# Altium PCB CRD25DA12N-FMC V1.1 (07-2023).PcbDoc (part 4 of 7) (continued)
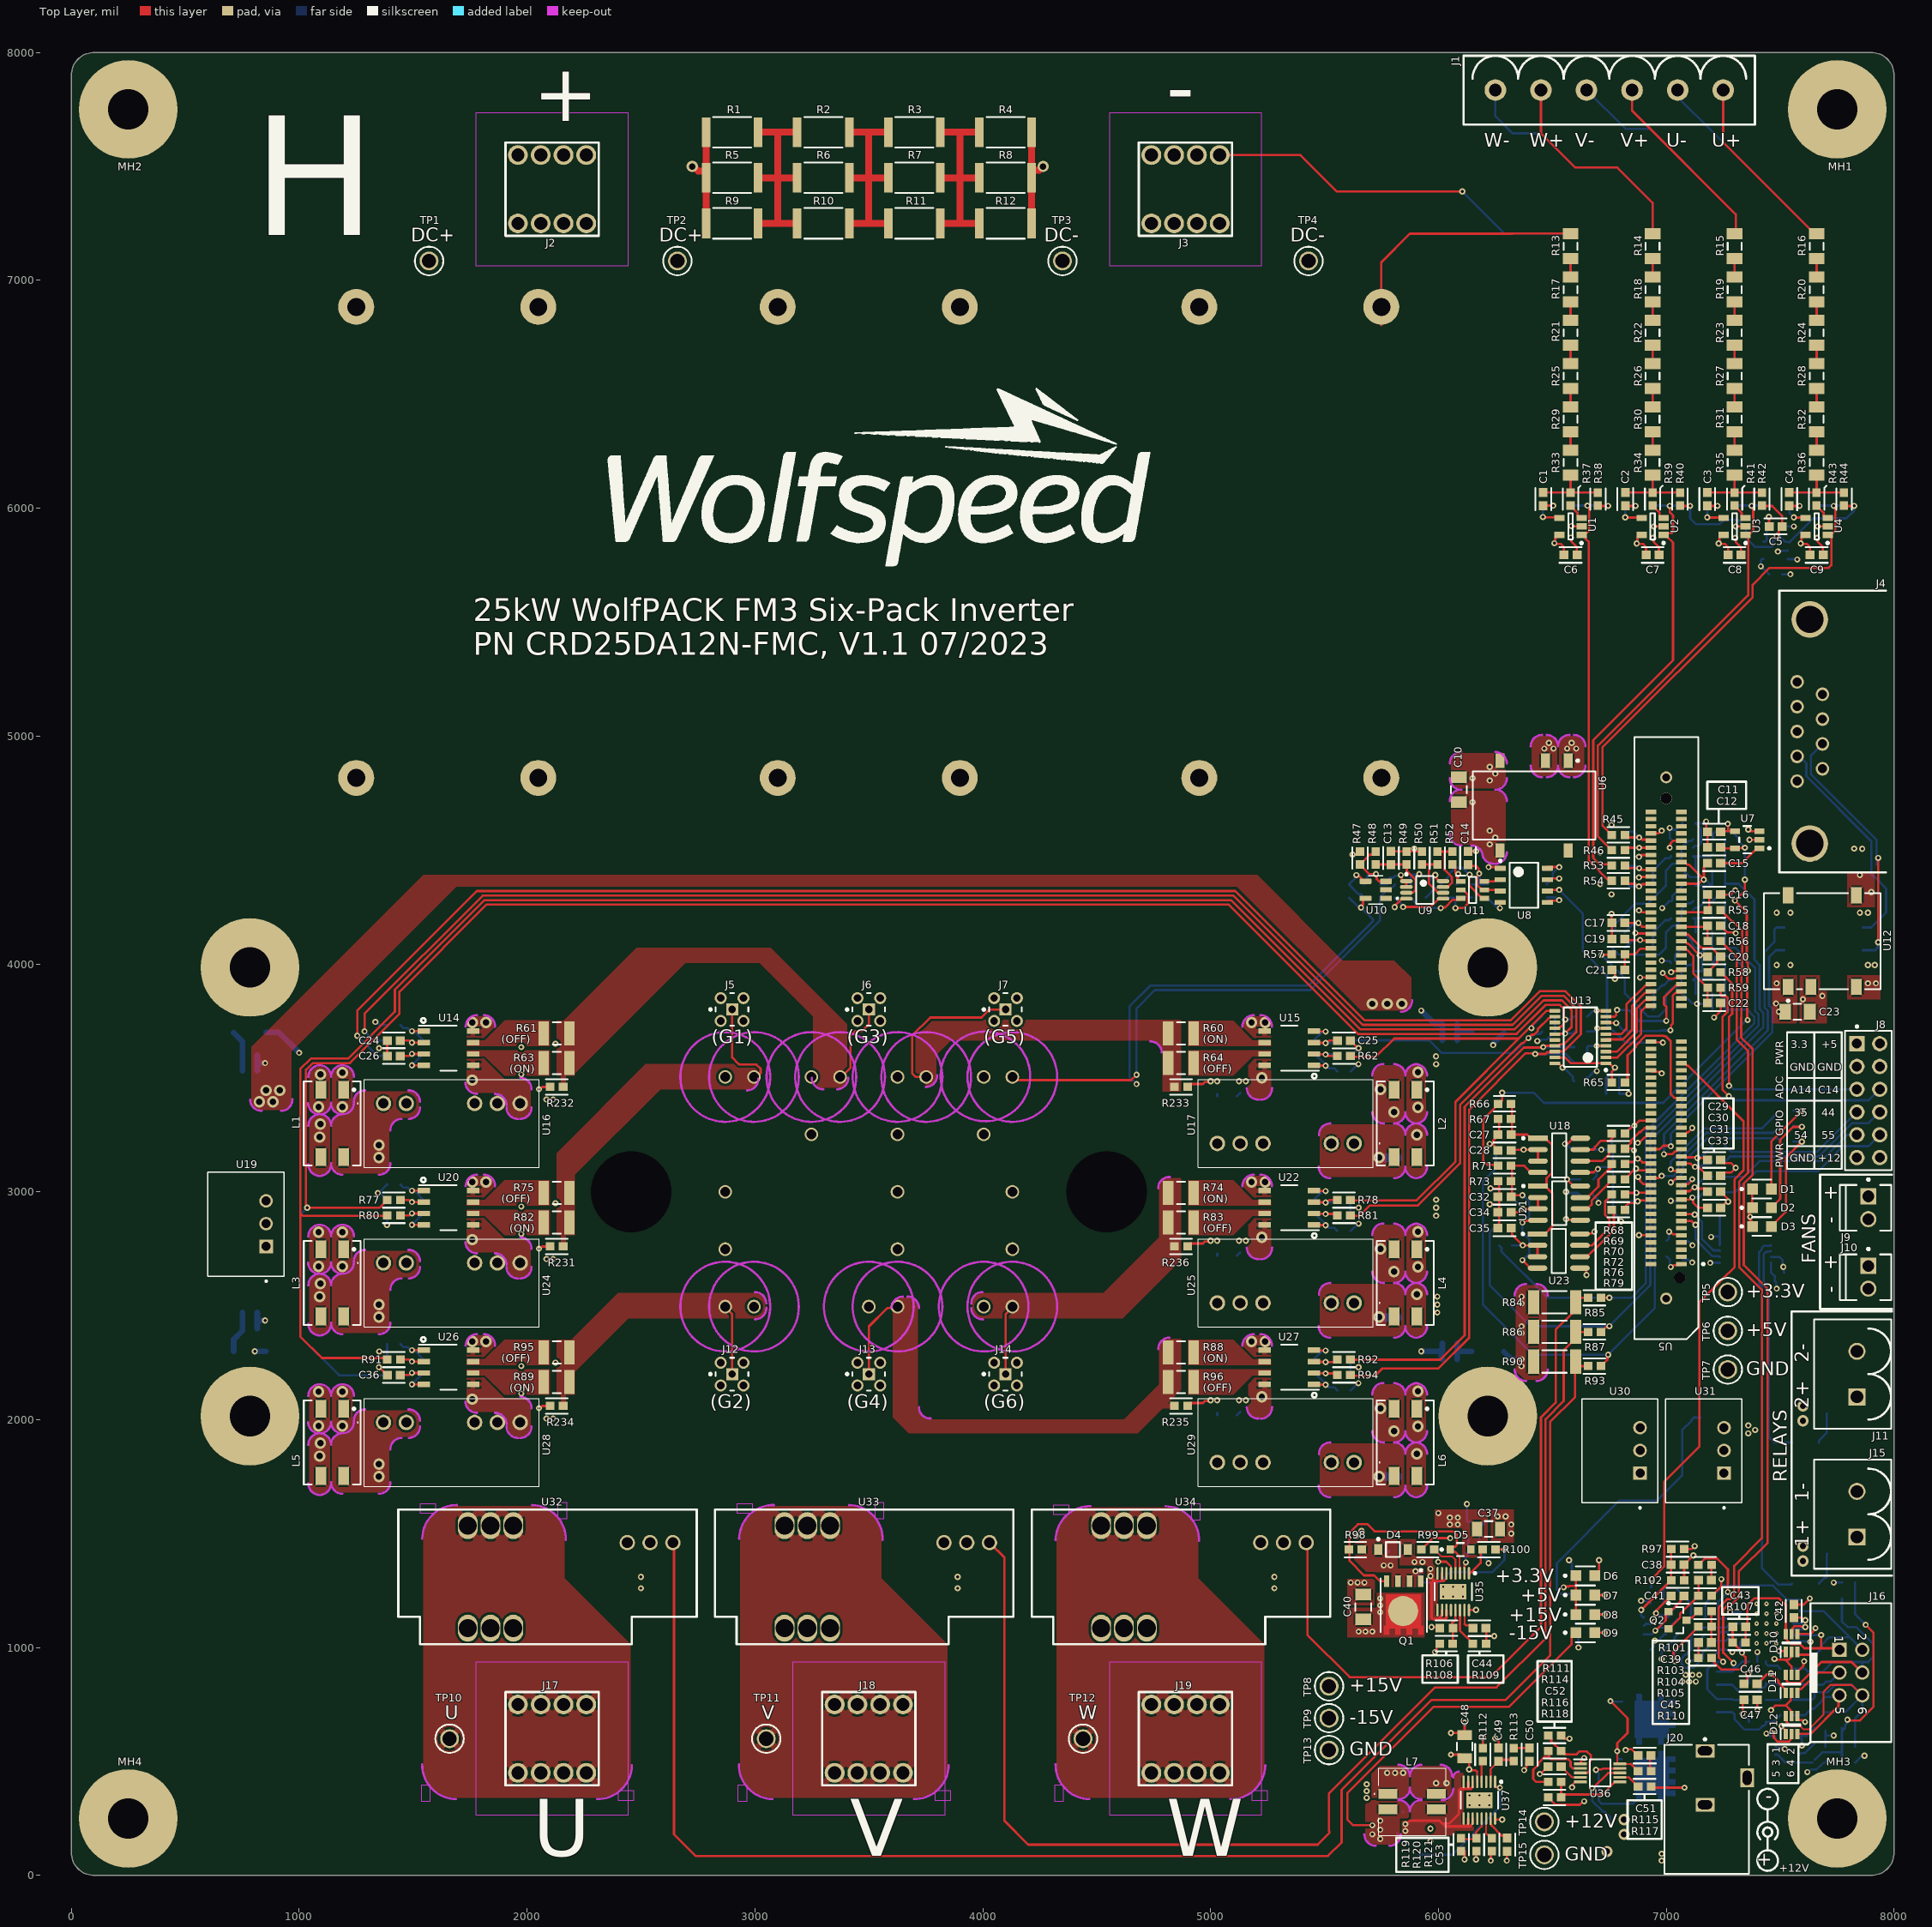
[diagram p0: Top Layer view]
## Nets (pads, with @x,y where several pads share a name; then routed paths per layer and width w, separated by ;. In a path a pad name is that pad's centre, name@x,y a point inside that pad or via, vN(x,y) a via of type N, cw(c..) or ccw(c..) an arc to the next point about the centre after c; other vN are vias at no path point) (continued)
  Bottom Layer w10: v1(7115,2975) 7116.44,2976.44 7143.5,2976.44 7165.06,2998 R197.2@7201.38,2998
HI_OC_REF: C27.1 R66.1 R67.2 U18.1 U21.1 U23.1 | length 820.8
  Top Layer w10: R66.1@6323.62,3386 6323.62,3319 6323.62,3251.04 6323.58,3251 6389.7,3251 6405.7,3235 U18.1@6436.94,3235 6468.19,3235 6498.19,3205 6498.19,3083.24 6474.64,3059.7 6474.64,3031.46 U21.1@6468.19,3025 ; U23.1@6435,2815 6466.24,2815 6500,2848.76 6500,2993.19 U21.1@6468.19,3025 ; U21.1@6436.94,3025 U21.1@6468.19,3025
IU: R90.2 R93.1 U32.9 | length 7064.2
  Top Layer w10: U32.9@2640,1460 2645,1455 2645,180 2740,85 5515,85 5575,145 5575,375 5970,770 6295,770 6490,965 6490,1990 6600,2100 6600,2252.48 R90.2@6602.52,2255 ; R90.2@6602.52,2254.61 6622.13,2235 R93.1@6656.38,2235
IU_FILT: C69.1 R93.2 R154.1 R155.1 R164.2 R194.1 | length 4074.7
  Top Layer w10: R93.2@6713.62,2235 6714.53,2235 6741.75,2262.22 6741.75,2281.75 v1(6745,2285)
  Bottom Layer w10: R194.1@6265.47,3185 6252.52,3172.04 6252.52,3102.52 6195,3045 6195,2505 6415,2285 v1(6745,2285) 6950,2490 6950,3245.31 7425.71,3721.02 7425.71,3785.85 7410,3801.57 7410,3995 7387,4018 7387,4283 7318.23,4351.77 7260.39,4351.77 R164.2@7258.62,4350 ; R164.2@7258.62,4343 R164.2@7258.62,4350 ; R154.1@7258.62,4548 7255.96,4545.33 7255.96,4515.04 7258.62,4512.38 R155.1@7258.62,4480 R155.1@7258.62,4480 C69.1@7258.58,4411 C69.1@7258.58,4411 R164.2@7258.62,4350
IU_MEAS: C17.1 R168.2 U5.33 | length 197.7
  Top Layer w10: C17.1@6818.58,4180 v1(6877.48,4180) 6894.45,4163.03 U5.33@6933.39,4163.03
  Bottom Layer w10: R168.2@6818.62,4139 6819.53,4139 6857.27,4176.75 6874.22,4176.75 v1(6877.48,4180)
IV: R86.2 R87.1 U33.9 | length 5597.3
  Top Layer w10: U33.9@4030,1460 4095,1395 4095,240 4200,135 5470,135 5520.86,185.86 5520.86,194.14 5520,195 5520,360 5985,825 6255,825 6470,1040 6470,2001.72 6550,2081.72 6550,2303.94 6602.52,2356.46 R86.2@6602.52,2385 R87.1@6656.38,2385
IV_FILT: C78.1 R87.2 R166.1 R167.1 R169.2 R198.1 | length 3272.5
  Top Layer w10: R87.2@6713.62,2385 6714.53,2385 6736.27,2406.75 6746.75,2406.75 v1(6750,2410)
  Bottom Layer w10: R198.1@6266.46,2975 6266.46,2863.91 6225,2822.45 6225,2590 6405,2410 v1(6750,2410) 6930,2590 6930,3255 7405.71,3730.71 7405.71,3777.57 7390,3793.28 7390,3983.81 7303.81,4070 R169.2@7258.62,4070 C78.1@7258.58,4139 C78.1@7258.58,4139 C78.1@7258.58,4139 R167.1@7258.62,4207 R166.1@7258.62,4275
IV_MEAS: C19.1 R171.2 U5.37 | length 208.3
  Top Layer w10: C19.1@6809.06,4104.85 v1(6885,4104.85) 6887.32,4102.52 6930.9,4102.52 U5.37@6934.21,4099.21
  Bottom Layer w10: R171.2@6818.62,4070 6819.53,4070 6854.37,4104.85 v1(6885,4104.85)
IW: R84.2 R85.1 U34.9 | length 3137
  Top Layer w10: U34.9@5420,1460 5425,1455 5425,1055 5610,870 6230,870 6450,1090 6450,2010 6515,2075 6515,2393.94 6602.52,2481.46 R84.2@6602.52,2505 ; R84.2@6602.52,2510 R84.2@6607.52,2505 ; R84.2@6607.52,2535 R85.1@6659.41,2535
IW_FILT: C84.1 R85.2 R172.1 R173.1 R174.2 R199.1 | length 2525
  Top Layer w10: R85.2@6710.59,2535 R85.2@6713.62,2535 v1(6750,2535)
  Bottom Layer w10: R199.1@6266.46,2765 6277.1,2754.36 6277.1,2737.9 6480,2535 v1(6750,2535) 6846.72,2535 6910,2598.28 6910,3263.28 7385.71,3739 7385.71,3769.29 7355,3800 R174.2@7258.62,3800 R174.2@7258.62,3800 C84.1@7258.58,3868 R173.1@7258.62,3936 R173.1@7258.62,3936 R172.1@7258.62,4003
IW_MEAS: C21.1 R57.2 U5.39 | length 194.9
  Top Layer w10: C21.1@6818.58,3974 R57.2@6818.62,4042 R57.2@6818.62,4042 6861.55,4042 6886.48,4066.93 6935,4066.93 U5.39@6934.85,4066.78
LED_G: R192.2 U5.96 | length 648.6
  Top Layer w10: v1(7019.92,3041.5) 7024.52,3041.5 7039.01,3055.98 7062.09,3055.98 U5.96@7066.93,3060.83
  Bottom Layer w10: v1(7019.92,3041.5) 7024.52,3041.5 7033.02,3050 7040.09,3050 7073.19,3083.1 7073.19,3128.49 7179.69,3235 7410,3235 7410.04,3234.96 7488.42,3234.96 R192.2@7501.38,3222
LED_R: R190.2 U5.94 | length 657.9
  Top Layer w10: v1(7020,3098.5) 7024.6,3098.5 7030.78,3092.32 U5.94@7066.93,3092.32
  Bottom Layer w10: v1(7020,3098.5) 7020,3131.87 7166.56,3278.44 7420.91,3278.44 7500.47,3358 R190.2@7501.38,3358
LED_Y: R191.2 U5.95 | length 690.2
  Top Layer w10: U5.95@6933.07,3060.83 6933.48,3060.41 6966.29,3060.41 6975.88,3070 v1(6980,3070)
  Bottom Layer w10: v1(6980,3070) 7031.81,3070 7053.19,3091.38 7053.19,3136.77 7174.85,3258.44 7468.91,3258.44 7500.47,3290 R191.2@7501.38,3290
LO_OC_REF: C32.1 R71.1 R73.2 U18.4 U21.4 U23.4 | length 797.1
  Top Layer w10: v1(6368.62,2699.86) 6368.76,2699.86 6403.62,2665 U23.4@6435,2665 ; v1(6368.62,2864.86) 6373.22,2864.86 6380.89,2872.53 6434.47,2872.53 U21.4@6436.94,2875 ; v1(6368.62,2984.86) 6330.44,2984.86 6323.58,2978 6323.58,3045.96 6323.62,3046 6323.62,3114 6376.7,3114 6405.7,3085 U18.4@6436.94,3085
  Bottom Layer w10: v1(6368.62,2699.86) 6398.5,2729.74 6398.5,2791.79 6368.62,2821.67 v1(6368.62,2864.86) 6398.5,2894.74 6398.5,2954.98 v1(6368.62,2984.86)
MOD: C76.1 R52.1 U11.1 | length 140.4
  Top Layer w10: R52.1@6071.09,4426.38 6074.96,4422.52 6074.96,4396.23 6078.48,4392.7 6078.48,4384.62 6083.15,4379.95 6083.15,4368.23 6088.98,4362.4 U11.1@6098.82,4362.4 ; v1@6078.69,4384.41 v1@6086.98,4392.7
  Bottom Layer w10: C76.1@6079,4348.58 6086.98,4356.56 v1@6086.98,4392.7
  other v1: 6086.98,4394
NetC1_1: C1.1 R33.2 R37.1 R38.2 | length 316.3
  Top Layer w10: C1.1@6460,6068.58 R37.1@6580,6068.62 R37.1@6580,6068.62 ; R33.2@6580,6144.88 R37.1@6580,6068.62 ; R38.2@6700,6068.62 R37.1@6580,6068.62
NetC2_1: C2.1 R34.2 R39.1 R40.1 | length 316.3
  Top Layer w10: C2.1@6820,6068.58 R39.1@6940,6068.62 R39.1@6940,6068.62 ; R34.2@6940,6144.88 R39.1@6940,6068.62 ; R40.1@7060,6068.62 R39.1@6940,6068.62
NetC3_1: C3.1 R35.2 R41.1 R42.1 | length 316.3
  Top Layer w10: C3.1@7180,6068.58 R41.1@7300,6068.62 R41.1@7300,6068.62 ; R35.2@7300,6144.88 R41.1@7300,6068.62 ; R42.1@7420,6068.62 R41.1@7300,6068.62
NetC4_1: C4.1 R36.2 R43.1 R44.1 | length 316.3
  Top Layer w10: C4.1@7540,6068.58 C4.1@7540,6068.58 R43.1@7660,6068.62 ; R36.2@7660,6144.88 R43.1@7660,6068.62 ; R44.1@7780,6068.62 R43.1@7660,6068.62
NetC28_1: C28.1 R194.2 U18.2 U18.3 | length 210.1
  Top Layer w10: C28.1@6324.21,3185 6324.47,3184.74 v1(6374.09,3184.74) 6374.22,3184.87 6436.82,3184.87 U18.2@6436.94,3185 U18.3@6436.94,3135
  Bottom Layer w10: R194.2@6327.09,3185 6327.35,3184.74 v1(6374.09,3184.74)
NetC34_1: C34.1 R198.2 U21.2 U21.3 | length 239.4
  Top Layer w10: C34.1@6323.58,2910 6355,2910 v1(6370,2925) U21.3@6436.94,2925 U21.2@6436.94,2975
  Bottom Layer w10: R198.2@6323.54,2975 6324.53,2975 6370,2929.53 v1(6370,2925)
NetC35_1: C35.1 R199.2 U23.2 U23.3 | length 255.7
  Top Layer w10: C35.1@6323.58,2840 6323.58,2811.42 v1(6370,2765) U23.2@6435,2765 U23.3@6435,2715
  Bottom Layer w10: R199.2@6323.54,2765 R199.2@6323.62,2765 v1(6370,2765)
NetC38_1: C38.1 R97.1 R102.2 U45.3 | length 361.5
  Top Layer w10: v1(6890,1165) 6890.47,1165 7020.32,1294.85 7021.23,1294.85 R102.2@7021.38,1295 C38.1@7021.42,1363 C38.1@7021.42,1363 R97.1@7021.38,1432 R97.1@7021.38,1432
  Bottom Layer w10: v1(6890,1165) 6890,1141.18 6898.78,1132.4 U45.3@6901.77,1132.4
NetC39_1: C39.1 R101.1 | length 68
  Top Layer w10: C39.1@7198.58,1295 R101.1@7198.62,1363 R101.1@7198.62,1363
NetC39_2: C39.2 Q2.2 R103.2 | length 268.3
  Top Layer w10: Q2.2@7010.63,1082.6 7012.6,1082.6 7060.65,1130.65 7060.65,1147.18 7140.47,1227 R103.2@7141.38,1227 R103.2@7141.38,1227 C39.2@7141.42,1295
NetC41_2: C41.2 R212.1 U45.4 | length 259.2
  Top Layer w10: v1(6955,1150) 6958.25,1153.25 6958.25,1164.78 7018.42,1224.95 7018.42,1230 C41.2@7021.42,1227
  Bottom Layer w10: v1(6955,1150) 6959.6,1150 6968.42,1141.18 6998.31,1141.18 7007.09,1132.4 7015.87,1141.18 7015.87,1150.04 7037.52,1171.69 7037.52,1181.04 7050.47,1194 R212.1@7051.38,1194 ; U45.4@6983.23,1127.4 U45.4@6992.09,1127.4
NetC43_1: C43.1 R107.1 R110.2 U44.1 | length 438.5
  Top Layer w10: R110.2@7184.76,961.77 7243.14,903.39 7322.53,903.39 7348.5,929.36 7348.5,956.96 7332.39,973.07 7332.39,981.89 7292.28,1022 R107.1@7291.38,1022 C43.1@7291.42,1091 C43.1@7291.42,1091
  Bottom Layer w10: U44.1@7325.83,1028.23 7325.83,1025.2 7325,1024.37 7325,989.66 7332.39,982.27 v1(7332.39,977.67)
NetC44_1: C44.1 U35.15 | length 105
  Top Layer w8: 6115,1103.57 U35.15@6115,1164.29
  Top Layer w10: 6115,1103.57 6120.86,1097.72 6139.72,1097.72 6150.47,1086.97 C44.1@6150.47,1085
NetC45_1: C45.1 R110.1 | length 68.5
  Top Layer w10: R110.1@7141.38,954 R110.1@7141.38,954 C45.1@7141.42,1022 ; C45.1@7154.92,1024.17 C45.1@7155.24,1023.86
NetC45_2: C45.2 R104.2 R105.1 | length 149.2
  Top Layer w10: R104.2@7189.73,1151.02 7197.72,1159 R104.2@7198.62,1159 R105.1@7198.62,1091 R105.1@7198.62,1091 C45.2@7198.58,1022
NetC49_1: C49.1 R113.2 U37.2 | length 179.8
  Top Layer w8: U37.2@6229.21,409.25 6229.21,466.18 6263.76,500.73 C49.1@6268.03,505
  Top Layer w10: C49.1@6263.03,501.46 C49.1@6265,501.46 ; C49.1@6270,505 6272.36,507.36 R113.2@6335,507.36
NetC50_1: C50.1 R113.1 | length 69
  Top Layer w10: R113.1@6331,558.62 C50.1@6400,558.58 C50.1@6400,558.58
NetC51_1: C51.1 R115.1 | length 73.8
  Top Layer w10: C51.1@6929.21,530 6929.21,462.41 R115.1@6933.62,458
NetC52_1: C52.1 U36.4 | length 104.2
  Top Layer w8: C52.1@6538.58,478 6586.58,430 U36.4@6622.91,430
NetC53_1: C53.1 U37.15 | length 120.6
  Top Layer w10: U37.15@6229.21,247.83 6229.21,225.35 6232.98,221.59 6232.98,218.6 6277.29,174.29 6289.25,174.29 C53.1@6300,163.54
NetC57_1: C57.1 R142.2 R146.2 R147.1 | length 316.3
  Bottom Layer w10: R147.1@7540,6068.62 C57.1@7660,6068.58 ; R142.2@7660,6144.88 C57.1@7660,6068.58 ; R146.2@7780,6068.62 C57.1@7660,6068.58
NetC57_2: C57.2 R45.1 R146.1 U4.1 | length 2178.4
  Top Layer w10: R45.1@6761.38,4566 6720,4607.38 6720,4950 7379.39,5609.39 7379.39,5664.39 7453.5,5738.5 7713.5,5738.5 7725,5750 7725,5874.61 7712.62,5886.99 7717.01,5891.38 7731.58,5891.38 7741.87,5901.66 7741.87,5998.53 7735,6005.4 v1(7735,6010)
  Bottom Layer w10: C57.2@7660,6011.42 R146.1@7780,6011.38 R146.1@7780,6011.38
NetC58_1: C58.1 R143.2 R148.2 R149.1 | length 316.3
  Bottom Layer w10: R149.1@7180,6068.62 C58.1@7300,6068.58 C58.1@7300,6068.58 ; R143.2@7300,6144.88 C58.1@7300,6068.58 ; R148.2@7420,6068.62 R148.2@7420,6068.62 C58.1@7300,6068.58
NetC58_2: C58.2 R46.1 R148.1 U3.1 | length 1950.8
  Top Layer w10: R46.1@6751.46,4505 6751.46,4507.95 6700,4559.41 6700,4958.28 7359.39,5617.67 7359.39,5873.82 7350.61,5882.6 U3.1@7348.23,5882.6 7357.01,5891.38 7371.58,5891.38 7381.87,5901.66 7381.87,5998.53 7375,6005.4 v1(7375,6010)
  Bottom Layer w10: C58.2@7300,6011.42 C58.2@7300,6011.42 R148.1@7420,6011.38
NetC59_1: C59.1 R144.2 R150.2 R151.1 | length 316.4
  Bottom Layer w10: R151.1@6820,6068.62 R151.1@6820,6068.62 C59.1@6940,6068.58 C59.1@6940,6068.58 ; R144.2@6940,6144.88 C59.1@6940,6068.58 ; R150.2@7060,6068.62 C59.1@6940,6068.58 C59.1@6940,6068.58
NetC59_2: C59.2 R53.1 R150.1 U2.1 | length 1959
  Top Layer w10: R53.1@6761.38,4432 6756.23,4437.15 6707.85,4437.15 6680,4465 6680,4982.05 7030,5332.05 7030,5849.09 7005.87,5873.23 7005.87,5873.82 6992.95,5886.73 6992.36,5886.73 6996.5,5890.87 7024.13,5890.87 7029.99,5896.72 7029.99,5967.61 7016.1,5981.5 7016.1,6008.9 v1(7015,6010)
  Bottom Layer w10: C59.2@6940,6011.42 R150.1@7060,6011.38 R150.1@7060,6011.38
NetC60_1: C60.1 R145.2 R152.1 R153.1 | length 316.3
  Bottom Layer w10: R153.1@6460,6068.62 C60.1@6580,6068.58 C60.1@6580,6068.58 ; R145.2@6580,6144.88 C60.1@6580,6068.58 ; R152.1@6700,6068.62 R152.1@6700,6068.62 C60.1@6580,6068.58
NetC60_2: C60.2 R54.1 R152.2 U1.1 | length 1857.1
  Top Layer w10: v1(6653.58,6011.42) 6653.58,6006.82 6661.87,5998.53 6661.87,5901.66 6651.58,5891.38 6637.01,5891.38 U1.1@6628.23,5882.6 6637.09,5882.6 6645.87,5873.82 6645.87,5864.96 6660,5850.83 6660,4452.95 R54.1@6755,4357.95
  Bottom Layer w10: C60.2@6580,6011.42 v1(6653.58,6011.42) R152.2@6700,6011.38 R152.2@6700,6011.38
NetC70_1: C70.1 R155.2 U39.3 | length 151.5
  Bottom Layer w10: U39.3@7118.23,4472.6 U39.3@7119.8,4472.6 ; C70.1@7128.58,4411 7128.58,4463.82 U39.3@7119.8,4472.6 ; R155.2@7201.38,4480 7193.98,4472.6 U39.3@7119.8,4472.6
NetC71_1: C71.1 R165.1 U39.4 | length 173.9
  Bottom Layer w10: R165.1@6941.38,4343 C71.1@6941.42,4411 C71.1@6941.42,4411 6942.37,4411 6995.19,4463.82 7012.99,4463.82 U39.4@7021.77,4472.6
NetC71_2: C71.2 R165.2 R168.1 U39.1 | length 605.8
  Bottom Layer w10: R168.1@6761.38,4139 6762.28,4139 6775.24,4151.96 6775.24,4175.24 6865,4265 6919.72,4265 6997.72,4343 R165.2@6998.62,4343 C71.2@6998.58,4411 C71.2@6998.58,4411 6999.53,4411 7028.09,4439.56 7040.71,4439.56 7065.87,4464.73 7065.87,4509.62 7094.88,4538.62 7109.45,4538.62 U39.1@7118.23,4547.4
NetC79_1: C79.1 R167.2 U40.3 | length 151
  Bottom Layer w10: U40.3@7118.23,4200.6 U40.3@7119.8,4200.6 ; C79.1@7128.58,4139 7128.58,4191.82 U40.3@7119.8,4200.6 ; R167.2@7201.38,4207 7194.98,4200.6 U40.3@7119.8,4200.6
NetC80_1: C80.1 R170.1 U40.4 | length 174.9
  Bottom Layer w10: R170.1@6941.38,4070 C80.1@6941.42,4139 C80.1@6941.42,4139 6942.37,4139 6995.19,4191.82 7012.99,4191.82 U40.4@7021.77,4200.6
NetC80_2: C80.2 R170.2 R171.1 U40.1 | length 532.7
  Bottom Layer w10: R171.1@6761.38,4070 6762.28,4070 6791.24,4041.04 6968.76,4041.04 6997.72,4070 R170.2@6998.62,4070 C80.2@6998.58,4139 C80.2@6998.58,4139 6999.53,4139 7028.09,4167.56 7040.71,4167.56 7065.87,4192.73 7065.87,4237.62 7094.88,4266.62 7109.45,4266.62 U40.1@7118.23,4275.4
NetC85_1: C85.1 R173.2 U42.3 | length 152.6
  Bottom Layer w10: C85.1@7128.58,3868 7128.58,3920.82 7119.8,3929.6 7118.23,3929.6 7124.63,3936 R173.2@7201.38,3936
NetC86_1: C86.1 R175.1 U42.4 | length 177.7
  Bottom Layer w10: R175.1@6941.38,3800 6946.04,3804.67 6946.04,3863.38 C86.1@6941.42,3868 6942.37,3868 6980.52,3906.15 6989.46,3906.15 7012.91,3929.6 U42.4@7021.77,3929.6
NetC86_2: C86.2 R57.1 R175.2 U42.1 | length 767.6
  Top Layer w10: v1(6715,4040) 6759.38,4040 R57.1@6761.38,4042
  Bottom Layer w10: v1(6715,4040) 6818.11,3936.89 6818.11,3870.9 6919.01,3770 6967.72,3770 6997.72,3800 R175.2@6998.62,3800 C86.2@6998.58,3868 C86.2@6998.58,3868 6999.53,3868 7028.09,3896.56 7045.75,3896.56 7047.05,3897.86 7047.86,3897.86 7065.87,3915.87 7065.87,3966.62 7094.88,3995.62 7109.45,3995.62 U42.1@7118.23,4004.4
NetC105_1: C105.1 L2.4 U17.1
  other v2: 5905,3250
NetC105_2: C105.2 L2.3 U17.2 | length 77.9
  Bottom Layer w10: C105.2@5820.81,3147.8 C105.2@5825.81,3152.8
  Bottom Layer w40: v2@5750,3147.8 C105.2@5820.81,3147.8
  other v2: 5740,3150
NetC106_1: C106.1 L1.4 U16.1
  other v2: 1350,3150 1350,3205
NetC106_2: C106.2 L1.3 U16.2
  other v2: 1090,3240 1092.89,3297.11
NetC135_1: C135.1 L4.4 U25.1
  other v2: 5905,2550
NetC135_2: C135.2 L4.3 U25.2 | length 77.9
  Bottom Layer w10: C135.2@5820.81,2447.8 C135.2@5825.81,2452.8
  Bottom Layer w40: v2@5750,2447.8 C135.2@5820.81,2447.8
  other v2: 5740,2450
NetC136_1: C136.1 L3.4 U24.1
  other v2: 1350,2450 1350,2505
NetC136_2: C136.2 L3.3 U24.2 | length 4.1
  Top Layer w10: L3.3@1090,2452.36 L3.3@1092.89,2455.26
  other v2: 1090,2540 1092.89,2597.11
NetC156_1: C156.1 L6.4 U29.1
  other v2: 5905,1850
NetC156_2: C156.2 L6.3 U29.2 | length 89.7
  Bottom Layer w10: C156.2@5820.81,1747.8 C156.2@5825.81,1752.8
  Bottom Layer w40: v2(5740,1750) 5820.11,1750 5820.81,1749.3 C156.2@5820.81,1747.8
NetC157_1: C157.1 L5.4 U28.1
  other v2: 1350,1750 1350,1805
NetC157_2: C157.2 L5.3 U28.2
  other v2: 1090,1840 1092.89,1897.11
NetC158_1: C158.1 R206.1 | length 78.2
  Bottom Layer w10: R206.1@6180.59,1480 6180.59,1525.32 6200.35,1545.08 C158.1@6200.35,1550
NetC159_1: C159.1 D4.1 Q1.1 Q1.2 Q1.3 R98.2 R100.2 | length 553.7
  Top Layer w10: R100.2@6250.62,1430 v1(6290,1430)
  Bottom Layer w10: C159.1@5783.18,1417.09 C159.1@5783.18,1425 ; v1(5900,1335) 5928.22,1306.78 5928.22,1290.86 5934.08,1285 6004.91,1285 6049.91,1330 6235,1330 6290,1385 v1(6290,1430)
  other v1: 5760,1360 5790,1360
NetC160_1: C160.1 R206.2 U35.2 | length 138.1
  Top Layer w10: U35.2@6114.29,1348.27 6114.29,1362.68 6120.34,1368.73 v1(6120.34,1373.33)
  Bottom Layer w10: C160.1@6119.58,1414.69 6120,1415.11 C160.1@6123.66,1415.11 ; v1(6120.34,1373.33) 6120.34,1395.92 C160.1@6131.42,1407 C160.1@6131.42,1407 R206.2@6131.38,1475
NetC169_1: C169.1 R209.2 R212.2 R215.1 | length 285.6
  Bottom Layer w10: C169.1@6988.58,1194 R209.2@6988.62,1263 7038.76,1262.96 7107.72,1194 R212.2@7108.62,1194 R215.1@7108.62,1126
NetC170_1: C170.1 R101.2 R211.1 U44.5 | length 495.1
  Top Layer w10: R101.2@7141.38,1363 7142.28,1363 7171.24,1391.96 7222.04,1391.96 7270.39,1343.6 7270.39,1281.7 7270,1281.31 v1(7270,1243.34)
  Bottom Layer w10: v1(7270,1243.34) 7228.58,1201.92 C170.1@7228.58,1126 7230.38,1127.8 7323.04,1127.8 U44.5@7325.83,1130.59
NetC171_1: C171.1 R218.2 R219.1 U44.2 U44.4 | length 727.2
  Bottom Layer w10: U44.2@7325.83,1053.82 7285.39,1053.82 7260.61,1029.04 7211.42,1029.04 7172.37,990 C171.1@7171.42,990 7160,978.58 7160,951.72 7119.78,911.5 7083.19,911.5 7066.5,928.19 7066.5,951.81 7083.19,968.5 7086.22,968.5 7107.72,990 R219.1@7108.62,990 R218.2@7108.62,1058 7109.53,1058 7139.51,1087.98 7262.98,1087.98 7280,1105 U44.4@7325.83,1105
NetC174_1: C174.1 R222.2 R223.2 U46.4 | length 317.6
  Bottom Layer w10: R222.2@7222,836.38 7289.09,836.38 7320.47,805 7400.63,805 7419.76,824.13 7428.62,824.13 7437.4,832.91 U46.4@7437.4,841.77 7498.61,841.77 R223.2@7501.38,839 R223.2@7498.8,836.42
NetC174_2: C174.2 R55.1 R222.1 U46.1 | length 3729.1
  Top Layer w10: R55.1@7238.62,4236 7239.53,4236 7290.6,4184.92 7295.38,4184.92 7333.5,4146.81 7333.5,3985.91 7329.39,3981.81 7329.39,3764.54 7328.71,3763.86 7328.71,3676.64 7378.86,3626.5 7378.86,3075 7340,3036.14 7340,2678.28 7445,2573.28 7445,1460 7318.5,1333.5 7318.5,1219.91 7290.09,1191.5 7275.18,1191.5 7250,1166.32 7250,977.14 v1(7295.25,931.89)
  Bottom Layer w10: R222.1@7222,893.62 C174.2@7290,893.58 C174.2@7290,893.58 7290,894.53 C174.2@7295.25,899.78 ; v1(7295.25,931.89) C174.2@7295.25,899.78 ; U46.1@7362.6,938.23 7333.7,938.23 C174.2@7295.25,899.78
NetC176_1: C176.1 R226.2 R227.2 U47.4 | length 355.5
  Bottom Layer w10: R226.2@7222,716.38 C176.1@7290,716.42 C176.1@7290,716.42 7300,706.42 7300,685 7322.13,662.87 7322.13,662.04 7344.26,639.91 7406.34,639.91 7422.34,655.91 7428.62,655.91 7437.4,664.69 U47.4@7437.4,673.54 7471.02,673.54 7500.47,703 R227.2@7501.38,703
NetC176_2: C176.2 R56.1 R226.1 U47.1 | length 3740.3
  Top Layer w10: R56.1@7238.62,4100 7239.53,4100 7309.39,4030.14 7309.39,3772.82 7308.71,3772.15 7308.71,3668.36 7358.86,3618.21 7358.86,3083.28 7320,3044.42 7320,2670 7420,2570 7420,1480 7298.5,1358.5 7298.5,1228.19 7281.81,1211.5 7266.9,1211.5 7230,1174.6 7230,957.63 7249.75,937.88 v1(7249.75,937.08)
  Bottom Layer w10: v1(7249.75,937.08) 7227.08,937.08 7225,935 7211.01,935 7180,903.99 7180,816.53 7222,774.53 R226.1@7222,773.62 R226.1@7222,773.62 C176.2@7290,773.58 7293.58,770 U47.1@7362.6,770
NetC182_1: C182.1 D19.2 L7.4
  other v1: 5990,405 6035,405
NetC182_2: C182.2 L7.3 U37.6 U37.7 U37.8 U37.9 U37.10 U37.11 | length 714.3
  Top Layer w10: v1(5855,225) 5859.6,225 5874.6,240 6005,240 6017.5,227.5 ; L7.3@5972.91,290 L7.3@5992.6,290 ; 6030,215 6017.5,227.5 ; 6095.86,380 6090,374.14 6090,270 6047.5,227.5 6017.5,227.5 ; 6120,215 6120,216.02 ; U37.7@6130.79,410.71 U37.7@6130.87,410.63 ; 6130.87,381.63 6132.5,380 ; U37.6@6150.47,388.23 U37.6@6150.47,410.71
  Top Layer w12: 6030,215 6120,215 6138.66,215 6150.47,226.81 U37.11@6150.47,249.29 ; 6095.86,380 6132.5,380 6142.24,380 U37.6@6150.47,388.23 ; 6120,216.02 6130.79,226.81 U37.10@6130.79,249.29 ; 6130.87,381.63 U37.7@6130.87,410.63
  Bottom Layer w10: C182.2@5845,278 C182.2@5845,280
  other v1: 5855,195
NetD1_2: D1.2 R190.1 | length 436
  Top Layer w10: D1.2@7461.34,3012 7461.34,3221.34 v1(7595,3355)
  Bottom Layer w10: R190.1@7558.62,3358 7561.62,3355 v1(7595,3355)
NetD2_2: D2.2 R191.1 | length 471.1
  Top Layer w10: D2.2@7461.34,2930 7500,2968.66 7500,3228.08 7556.92,3285 v1(7595,3285)
  Bottom Layer w10: R191.1@7558.62,3290 7563.62,3285 v1(7595,3285)
NetD3_2: D3.2 R192.1 | length 464.6
  Top Layer w10: D3.2@7461.34,2848 7525,2911.66 7525,3150 v1(7595,3220)
  Bottom Layer w10: R192.1@7558.62,3222 7560.62,3220 v1(7595,3220)
NetD4_2: D4.2 L8.2 U35.6 U35.7 U35.8 U35.9 U35.10 U35.11 | length 460.9
  Top Layer w10: v1(5965,1313.5) 5965,1308.9 5976.5,1297.4 5976.5,1291.5 ; 5975.86,1125 5970,1130.86 5970,1285 5976.5,1291.5 ; U35.7@6015.79,1325.71 6015.71,1325.63 6015.71,1292.2 6015,1291.5 ; U35.11@6035.39,1164.21 U35.11@6035.47,1164.29 ; U35.6@6035.47,1325.71 6035.47,1303.23 6023.74,1291.5 6015,1291.5 ; 5976.5,1291.5 6015,1291.5
  Top Layer w12: 5975.86,1125 5998.98,1125 ; U35.10@6015.79,1164.29 6015.79,1141.81 5998.98,1125 ; U35.11@6035.39,1164.21 6035.39,1130.86 6029.54,1125 5998.98,1125
  other v1: 5965,1345 5895,1375 5930,1375
NetD5_1: D5.1 Q1.4 R98.1 U35.3 | length 1065.8
  Top Layer w8: D5.1@6048.03,1420 6073.5,1420 6092.84,1400.66 6092.84,1356.37 6094.17,1355.04 6094.17,1326.06 U35.3@6094.53,1325.71
  Top Layer w10: Q1.4@5772.72,1290.7 5744.3,1290.7 5718.23,1316.77 5673.23,1316.77 5610,1380 5610,1430 5610,1505 5645.86,1540.86 5689.14,1540.86 5720,1510 6065.31,1510 6080,1495.31 6080,1448.57 6074.14,1442.72 6050.75,1442.72 6040,1431.97 6040,1428.03 D5.1@6048.03,1420
NetD6_2: D6.2 R207.2 | length 136.3
  Top Layer w10: D6.2@6686.34,1315 6704.96,1333.62 6704.96,1383.04 v1(6705,1383.08)
  Bottom Layer w10: R207.2@6704.1,1323 6705,1323.9 v1(6705,1383.08)
NetD7_2: D7.2 R210.1 | length 98.1
  Top Layer w10: D7.2@6686.34,1230 v1(6730,1230)
  Bottom Layer w10: R210.1@6675.51,1230 v1(6730,1230)
NetD8_2: D8.2 R213.1 | length 98.1
  Top Layer w10: D8.2@6686.34,1145 v1(6730,1145)
  Bottom Layer w10: R213.1@6675.51,1145 v1(6730,1145)
NetD9_2: D9.2 R216.2 | length 98.1
  Top Layer w10: D9.2@6686.34,1065 v1(6730,1065)
  Bottom Layer w10: R216.2@6675.51,1065 v1(6730,1065)
NetD13_2: D13.2 R178.1 R183.1 | length 133.2
  Bottom Layer w25: R183.1@6082.48,3665 6082.48,3700 ; R178.1@6082.48,3735 6082.48,3700 ; D13.2@6145.67,3700 6082.48,3700
NetD14_2: D14.2 R185.1 R188.1 | length 185.9
  Bottom Layer w10: D14.2@712.6,3698.03 D14.2@712.6,3700
  Bottom Layer w25: D14.2@712.6,3698.03 750.98,3659.65 R185.1@750.98,3600 R188.1@750.98,3530
NetD15_2: D15.2 R202.1 R203.1 | length 133.2
  Bottom Layer w25: R203.1@6082.48,2265 6082.48,2300 ; R202.1@6082.48,2335 6082.48,2300 ; D15.2@6145.67,2300 6082.48,2300
NetD16_2: D16.2 R200.1 R201.1 | length 185.9
  Bottom Layer w10: R201.1@750.98,2390.16 R201.1@750.98,2400
  Bottom Layer w25: D16.2@712.6,2300 712.6,2351.77 R201.1@750.98,2390.16 ; R201.1@750.98,2400 R200.1@750.98,2470
NetD17_2: D17.2 J11.2 Q4.4
NetD18_2: D18.2 J15.2 Q5.4
NetJ8_5: J8.5 R58.1 | length 1094.7
  Top Layer w10: R58.1@7238.62,3964 7239.53,3964 7289.39,3914.14 7289.39,3781.11 7275,3766.72 v1(7275,3465)
  Bottom Layer w10: v1(7275,3465) 7279.6,3465 7294.6,3450 J8.5@7837,3450
NetJ8_6: J8.6 R59.1 | length 1210.6
  Top Layer w10: R59.1@7238.62,3896 7238.62,3863.72 7244.48,3857.86 7262.95,3857.86 7269.39,3851.42 7269.39,3789.39 7246.5,3766.5 7246.5,3448.41 v1(7274.98,3419.94)
  Bottom Layer w10: v1(7274.98,3419.94) 7278.47,3419.94 7296.88,3401.54 7888.54,3401.54 J8.6@7937,3450
NetJ8_7: J8.7 R193.1 | length 661.2
  Bottom Layer w10: R193.1@7258.62,3200 7259.53,3200 7284.53,3175 7661.72,3175 7836.72,3350 J8.7@7837,3350
NetJ8_8: J8.8 R195.1 | length 768.8
  Bottom Layer w10: R195.1@7258.62,3133 7259.53,3133 7272.48,3145.96 7272.48,3146.86 7280.62,3155 7670,3155 7816.54,3301.54 7888.54,3301.54 J8.8@7937,3350
NetJ8_9: J8.9 R196.1 | length 656.7
  Bottom Layer w10: R196.1@7258.62,3066 7341.58,3066 7410.58,3135 7678.28,3135 7793.28,3250 J8.9@7832,3250 ; J8.9@7832,3245 J8.9@7837,3250
NetJ8_10: J8.10 R197.1 | length 782.8
  Bottom Layer w10: R197.1@7258.62,2998 7301.86,2998 7393.86,3090 7665,3090 7775,3200 7887,3200 J8.10@7937,3250
NetQ2_3: Q2.3 R104.1 | length 88.5
  Top Layer w10: Q2.3@7091.34,1120 Q2.3@7089.37,1120 7100.12,1130.75 7112.22,1130.75 7140.47,1159 R104.1@7141.38,1159 R104.1@7128.42,1146.04
NetQ4_1: Q4.1 R205.2 | length 141.3
  Bottom Layer w10: R205.2@7670,1899.76 7670,1907.69 7705,1942.69 7705,2026.38 Q4.1@7705.16,2026.54
NetQ5_1: Q5.1 R208.2 | length 149.5
  Bottom Layer w10: R208.2@7670,1280 7670,1281.34 7693.66,1305 7699.14,1305 7705,1310.86 7705,1411.61 Q5.1@7705.16,1411.77
NetQ6_4: Q6.4 Q7.4 R115.2 U36.10 | length 532.3
  Top Layer w8: U36.10@6785,490.27 v1(6785,545) ; U36.10@6785.91,489.37 U36.10@6797.09,489.37 ; U36.10@6808.16,489.37 6809.07,488.46 6845.01,488.46
  Top Layer w10: v1(6755,765) 6830,690 6830,625 6785,580 v1(6785,545) ; U36.10@6785,490.27 U36.10@6785.91,489.37 ; U36.10@6797.09,489.37 U36.10@6808.16,489.37 ; 6845.01,488.46 6875.47,458 R115.2@6876.38,458
  Bottom Layer w10: v1(6755,765) 6757.5,762.5 6805.63,762.5 Q6.4@6806.14,761.99 ; v1(6785,545) 6785,517.01 6792.01,510 Q7.4@6804.88,510
NetR14_2: R14.2 R18.1 | length 79.8
  Top Layer w10: R18.1@6940,7015.12 R14.2@6940,7094.88
NetR15_2: R15.2 R19.1 | length 79.8
  Top Layer w10: R19.1@7300,7015.12 R15.2@7300,7094.88
NetR16_2: R16.2 R20.1 | length 79.8
  Top Layer w10: R20.1@7660,7015.12 R16.2@7660,7094.88
NetR18_2: R18.2 R22.1 | length 79.8
  Top Layer w10: R22.1@6940,6825.12 R18.2@6940,6904.88
NetR19_2: R19.2 R23.1 | length 79.8
  Top Layer w10: R23.1@7300,6825.12 R19.2@7300,6904.88
NetR20_2: R20.2 R24.1 | length 79.8
  Top Layer w10: R24.1@7660,6825.12 R20.2@7660,6904.88
NetR22_2: R22.2 R26.1 | length 79.8
  Top Layer w10: R26.1@6940,6635.12 R22.2@6940,6714.88
NetR23_2: R23.2 R27.1 | length 79.8
  Top Layer w10: R27.1@7300,6635.12 R23.2@7300,6714.88
NetR24_2: R24.2 R28.1 | length 79.8
  Top Layer w10: R28.1@7660,6635.12 R24.2@7660,6714.88
NetR26_2: R26.2 R30.1 | length 79.8
  Top Layer w10: R30.1@6940,6445.12 R26.2@6940,6524.88
NetR27_2: R27.2 R31.1 | length 79.8
  Top Layer w10: R31.1@7300,6445.12 R27.2@7300,6524.88
NetR28_2: R28.2 R32.1 | length 79.8
  Top Layer w10: R32.1@7660,6445.12 R28.2@7660,6524.88
NetR30_2: R30.2 R34.1 | length 79.8
  Top Layer w10: R34.1@6940,6255.12 R30.2@6940,6334.88
NetR31_2: R31.2 R35.1 | length 79.8
  Top Layer w10: R35.1@7300,6255.12 R31.2@7300,6334.88
NetR32_2: R32.2 R36.1 | length 79.8
  Top Layer w10: R36.1@7660,6255.12 R32.2@7660,6334.88
NetR37_2: R37.2 U1.3 | length 79.1
  Top Layer w10: R37.2@6580,6011.38 6580,6010.47 6610.59,5979.88 6610.59,5966.18 6619.37,5957.4 U1.3@6628.23,5957.4